# Altium PCB PCB1.PcbDoc (part 2 of 2)
Units mm, origin at the board's own origin, x right, y up, seen from the top; angles counter-clockwise.
Board outline 96.5 x 60 mm, 2 copper layers (Top Layer, Bottom Layer); 83 components, 140 nets, 424 pads, 145 vias.
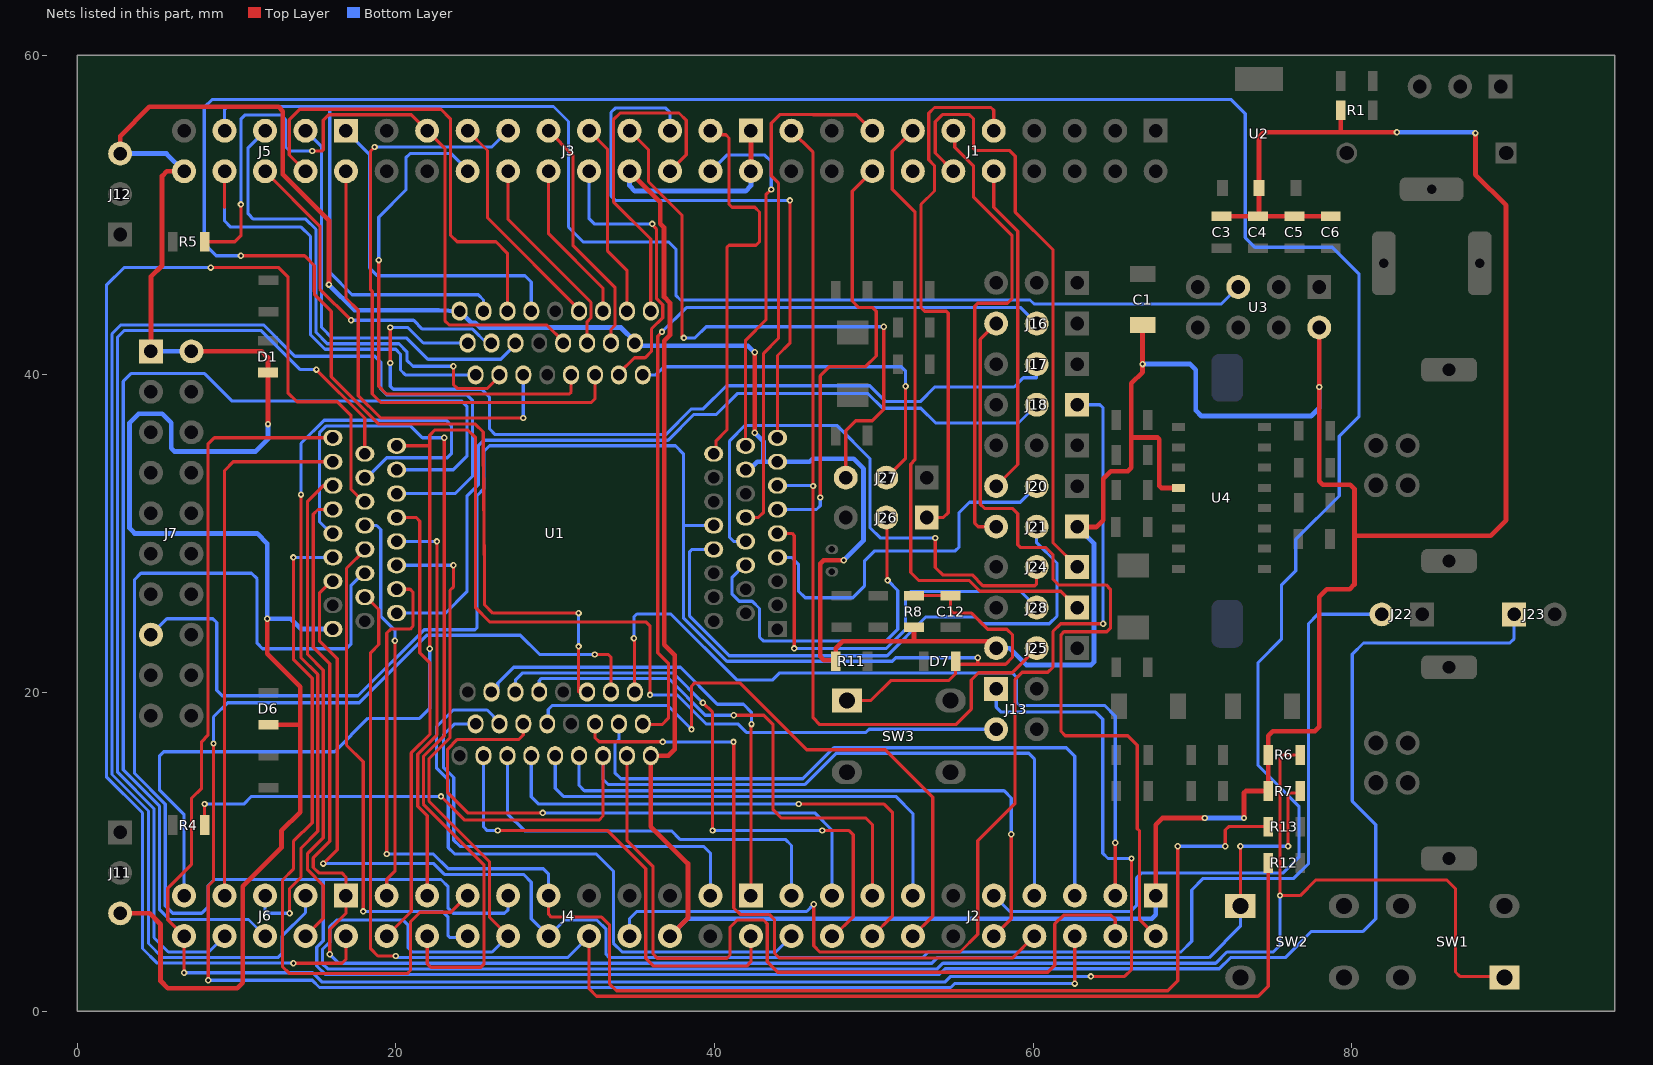
[diagram p2: the nets of this part, all layers, seen from the top]

## Via types
v1: diameter 0.4, hole 0.2, Top Layer to Bottom Layer, 145 vias

## Nets (pads, with @x,y where several pads share a name; then routed paths per layer and width w, separated by ;. In a path a pad name is that pad's centre, name@x,y a point inside that pad or via, vN(x,y) a via of type N, cw(c..) or ccw(c..) an arc to the next point about the centre after c; other vN are vias at no path point) (continued)
PIN09: J1.9 J26.1 | length 34.1
  Top Layer w0.2: J26.1@53.315,31 54.365,31 54.665,31.3 54.665,43.828 54.548,43.945 53.184,43.945 52.958,44.171 52.958,50.647 53.803,51.491 53.803,53.084 53.445,53.442 53.445,56.374 53.803,56.732 57.352,56.732 57.525,56.559 J1.9@57.525,55.275
PIN09_D: J26.2 U1.9 | length 22.5
  Top Layer w0.2: J26.2@50.775,31 50.821,30.954 50.821,27.09 v1(50.859,27.051)
  Bottom Layer w0.2: U1.9@41.95,28 41.85,28 41.1,27.25 41.1,26.189 41.539,25.75 42.361,25.75 42.824,25.287 42.824,23.495 43.078,23.241 50.752,23.241 51.493,23.981 51.493,26.418 v1(50.859,27.051)
PIN10: J1.10 J20.3 | length 20.9
  Top Layer w0.2: J1.10@57.525,52.735 57.525,50.475 59.025,48.975 59.025,34.325 J20.3@57.675,32.975
PIN10_D: J20.2 U1.10 | length 23.4
  Bottom Layer w0.2: U1.10@43.95,28.5 44.831,28.5 45.261,28.07 45.261,26.387 45.689,25.959 48.669,25.959 49.407,26.697 49.407,28.253 50.059,28.905 55.11,28.905 55.339,29.134 55.339,31.293 55.999,31.953 59.193,31.953 J20.2@60.215,32.975
PIN11: J1.11 J21.3 | length 29.7
  Top Layer w0.2: J1.11@54.985,55.275 55.075,55.185 55.075,54.225 56.26,53.04 56.26,51.098 58.675,48.683 58.675,44.742 58.383,44.45 56.514,44.45 56.325,44.261 56.325,30.646 56.546,30.425 J21.3@57.675,30.425
PIN11_D: J21.2 U1.11 | length 37.2
  Bottom Layer w0.2: U1.11@39.95,29 38.582,29 38.434,28.852 38.434,24.811 40.919,22.327 50.828,22.327 53.258,24.756 56.378,24.756 56.801,24.333 61.015,24.333 61.493,24.811 61.493,28.143 60.215,29.421 J21.2@60.215,30.425
PIN12: J1.12 J24.1 | length 38.3
  Top Layer w0.2: J1.12@54.985,52.735 53.847,53.873 53.847,55.833 54.301,56.286 55.981,56.286 56.26,56.007 56.26,54.15 56.384,54.026 58.522,54.026 58.875,53.673 58.875,50.166 61.239,47.803 61.239,29.416 J24.1@62.755,27.9
PIN12_D: J24.2 U1.12 | length 35.8
  Top Layer w0.2: v1(53.847,29.718) 53.847,27.86 54.312,27.395 56.17,27.395 56.843,26.722 60.098,26.722 60.215,26.839 J24.2@60.215,27.9
  Bottom Layer w0.2: U1.12@41.95,29.5 41.187,29.5 40.944,29.743 40.944,35.809 41.914,36.779 47.675,36.779 49.758,34.696 49.758,30.353 50.393,29.718 v1(53.847,29.718)
PIN13: J1.13 J28.1 | length 40.3
  Top Layer w0.2: J1.13@52.445,55.275 51.155,53.985 51.155,51.606 52.575,50.185 52.575,34.614 52.315,34.354 52.315,27.548 52.817,27.045 55.987,27.045 56.66,26.372 61.733,26.372 J28.1@62.755,25.35
PIN13_D: J28.2 U1.13 | length 26.5
  Top Layer w0.2: U1.13@43.95,30 44.87,30 45.008,29.862 v1(45.008,22.784)
  Bottom Layer w0.2: v1(45.008,22.784) 50.79,22.784 51.988,23.981 51.988,26.006 52.347,26.365 59.2,26.365 J28.2@60.215,25.35
PIN14: J1.14
PIN15: J1.15 U1.15 | length 33.2
  Top Layer w0.2: U1.15@41.95,31 42.747,31 43.078,31.33 43.078,41.3 44.01,42.233 44.01,52.001 43.56,52.451 43.56,55.753 44.094,56.286 46.172,56.286 46.184,56.275 48.905,56.275 J1.15@49.905,55.275
PIN16: J1.16 U1.16 | length 28.2
  Top Layer w0.2: v1(46.634,32.258) 46.634,39.887 47.227,40.481 49.497,40.481 50.15,41.134 50.15,43.95 49.929,44.171 49.058,44.171 48.64,44.589 48.64,51.47 J1.16@49.905,52.735
  Bottom Layer w0.2: U1.16@43.95,31.5 46.4,31.5 46.634,31.733 v1(46.634,32.258)
PIN19: J1.19 J25.2 U1.19 | length 57.1
  Top Layer w0.2: J1.19@44.729,55.371 J1.19@44.825,55.275 46.184,53.916 v1(46.184,32.975) 46.184,18.427 46.607,18.003 55.137,18.003 56.108,18.974 56.108,20.803 56.565,21.26 58.675,21.26 J25.2@60.215,22.8
  Bottom Layer w0.2: U1.19@43.95,33 46.159,33 v1(46.184,32.975)
PIN23: J3.3 U1.23 | length 25
  Top Layer w0.2: J3.3@39.745,55.275 39.994,55.026 40.699,55.026 40.908,54.818 40.908,50.664 41.096,50.475 42.519,50.475 42.824,50.17 42.824,48.305 42.601,48.082 40.908,48.082 40.776,47.951 40.776,36.492 40.1,35.816 40.1,35.15 U1.23@39.95,35
PIN24: J3.4 U1.24 | length 22.9
  Top Layer w0.2: U1.24@41.95,35.5 41.95,42.121 43.223,43.394 43.223,51.25 v1(43.56,51.587)
  Bottom Layer w0.2: J3.4@39.745,52.735 40.756,53.746 43.154,53.746 43.56,53.34 v1(43.56,51.587)
PIN25: J3.5 U1.25 | length 36.9
  Top Layer w0.2: U1.25@43.95,36 43.95,41.164 44.727,41.942 44.727,50.899 v1(44.729,50.9)
  Bottom Layer w0.2: J3.5@37.205,55.275 37.205,56.423 36.935,56.693 33.77,56.693 33.5,56.423 33.5,51.17 33.77,50.9 v1(44.729,50.9)
PIN26: J3.6 U1.26 | length 21.5
  Top Layer w0.2: U1.26@36,43.95 36,48.48 33.654,50.825 33.654,55.956 34.086,56.388 37.769,56.388 38.226,55.931 38.226,53.756 J3.6@37.205,52.735
PIN27: J3.7 J27.3 | length 38.3
  Top Layer w0.2: J3.7@34.665,55.275 35.855,54.085 35.855,52.079 37.952,49.982 37.952,42.398 v1(38.077,42.274) ; J27.3@48.235,33.5 48.235,36.45 48.857,37.072 49.908,37.072 50.621,37.785 v1(50.621,42.977)
  Bottom Layer w0.2: v1(38.077,42.274) 38.773,42.274 39.476,42.977 v1(50.621,42.977)
PIN27_D: J27.2 U1.27 | length 24
  Top Layer w0.2: J27.2@50.775,33.5 51.994,34.719 v1(51.994,39.233)
  Bottom Layer w0.2: U1.27@35.5,39.95 36.321,39.95 36.833,40.462 51.713,40.462 51.994,40.181 v1(51.994,39.233)
PIN29: J3.9 U1.29 | length 12.3
  Top Layer w0.2: J3.9@32.125,55.275 33.275,54.125 33.275,47.751 34.5,46.526 U1.29@34.5,43.95
PIN30: J3.10 U1.30 | length 18.4
  Top Layer w0.2: U1.30@34,39.95 34,40.05 34.979,41.029 35.645,41.029 36.047,41.43 36.047,42.836 36.75,43.539 36.75,44.361 36.353,44.758 36.353,49.114 36.093,49.375 v1(36.093,49.428)
  Bottom Layer w0.2: J3.10@32.125,52.735 32.125,49.746 32.443,49.428 v1(36.093,49.428)
PIN31: J3.11 U1.31 | length 15.2
  Top Layer w0.2: J3.11@29.585,55.275 31.114,53.746 31.114,48.082 33.75,45.446 33.75,43.049 33.5,42.799 U1.31@33.5,41.95
PIN32: J3.12 U1.32 | length 10.2
  Top Layer w0.2: J3.12@29.585,52.735 29.585,48.808 33,45.393 U1.32@33,43.95
PIN33: J3.13 U1.33 | length 40.2
  Top Layer w0.2: v1(18.668,54.254) 18.414,54 18.414,45.299 18.522,45.191 18.522,38.753 19.057,38.218 32.263,38.218 32.5,38.455 U1.33@32.5,39.95
  Bottom Layer w0.2: v1(18.668,54.254) 26.024,54.254 J3.13@27.045,55.275
PIN34: J3.14 U1.34 | length 13
  Top Layer w0.2: J3.14@27.045,52.735 27.045,49.705 32.25,44.5 32.25,43.539 32,43.289 U1.34@32,41.95
PIN35: J3.15 U1.35 | length 14.2
  Top Layer w0.2: J3.15@24.505,55.275 25.75,54.03 25.75,49.8 31.5,44.05 U1.35@31.5,43.95
PIN36: J3.16 U1.36 | length 32.9
  Top Layer w0.2: v1(18.922,47.152) 18.922,39.233 19.406,38.75 30.883,38.75 31,38.867 U1.36@31,39.95
  Bottom Layer w0.2: v1(18.922,47.152) 18.922,49.847 20.63,51.555 20.63,53.585 20.885,53.84 23.473,53.84 24.505,52.808 J3.16@24.505,52.735
PIN37: J3.17 R5.1 U1.37 | length 46.4
  Top Layer w0.2: R5.1@8,48.3 9.89,48.3 10.275,48.685 v1(10.275,50.652) ; v1(14.75,54) 15.385,54 15.448,54.063 15.448,55.931 15.787,56.27 16.892,56.27 16.897,56.275 20.965,56.275 J3.17@21.965,55.275 23.075,54.165 23.075,43.356 23.353,43.078 29.472,43.078 30.5,42.05 U1.37@30.5,41.95
  Bottom Layer w0.2: v1(10.275,50.652) 10.275,55.995 10.55,56.27 12.79,56.27 13.075,55.985 13.075,54.254 13.329,54 v1(14.75,54)
PIN41: J5.1 U1.41 | length 21.6
  Bottom Layer w0.2: J5.1@16.87,55.27 18.34,53.8 18.34,46.682 18.844,46.177 28.105,46.177 28.5,45.783 U1.41@28.5,43.95
PIN42: J5.2 U1.42 | length 28.2
  Top Layer w0.2: J5.2@16.87,52.73 16.87,44.775 17.645,44 17.645,38.64 19.04,37.245 v1(28,37.245)
  Bottom Layer w0.2: v1(28,37.245) 28,39.567 28.174,39.741 28,39.915 28.018,39.932 U1.42@28,39.95
PIN43: J5.3 U1.43 | length 26.2
  Bottom Layer w0.2: J5.3@14.33,55.27 15.341,54.259 15.341,42.925 16.008,42.258 20.691,42.258 22.012,40.938 26.588,40.938 27.5,41.85 U1.43@27.5,41.95
PIN44: J5.4 U1.44 | length 29.3
  Top Layer w0.2: J5.4@14.33,52.73 13.309,53.751 13.309,55.956 13.978,56.625 22.834,56.625 23.425,56.034 23.425,48.732 23.857,48.3 26.282,48.3 27,47.582 U1.44@27,43.95
PIN45: J5.5 U1.45 | length 31.2
  Top Layer w0.2: v1(23.61,40.488) 23.61,39.348 23.857,39.1 25.75,39.1 26.5,39.85 U1.45@26.5,39.95
  Bottom Layer w0.2: J5.5@11.79,55.27 10.725,54.205 10.725,50.061 11.061,49.725 14.344,49.725 14.991,49.078 14.991,42.616 15.698,41.908 20.2,41.908 20.694,41.414 20.694,40.873 21.079,40.488 v1(23.61,40.488) ; U1.45@26.5,39.95 U1.45@26.5,40.05
PIN46: J5.6 U1.46 | length 21
  Top Layer w0.2: J5.6@11.79,52.73 15.234,49.286 15.234,45.336 v1(17.195,43.375)
  Bottom Layer w0.2: v1(17.195,43.375) 21.115,43.375 21.665,42.824 24.817,42.824 25.692,41.95 U1.46@26,41.95
PIN47: J5.7 U1.47 U3.5 | length 97.7
  Bottom Layer w0.2: J5.7@9.25,55.27 9.25,56.607 9.437,56.794 15.849,56.794 ; U1.47@25.5,43.95 25.5,44.653 25.17,44.983 17.246,44.983 15.849,46.38 15.849,56.794 ; U3.5@72.868,45.465 71.803,44.4 60.053,44.4 59.8,44.653 37.863,44.653 37.575,44.942 37.575,47.851 37.14,48.285 31.775,48.285 30.835,49.225 30.835,55.855 29.895,56.794 15.849,56.794
PIN48: J5.8 U1.48 | length 29.4
  Top Layer w0.2: 9.25,50.45 J5.8@9.25,52.73
  Bottom Layer w0.2: J5.8@9.25,52.73 9.25,49.611 9.636,49.225 14.057,49.225 14.641,48.642 14.641,42.471 15.553,41.558 15.845,41.558 15.849,41.554 19.993,41.554 20.291,41.257 20.291,40.255 20.597,39.95 U1.48@25,39.95
PIN49_D: J17.2 U1.49 | length 55.1
  Top Layer w0.2: v1(19.65,40.7) v1(19.65,42.925)
  Bottom Layer w0.2: v1(19.65,40.7) 19.65,39.242 19.848,39.044 25.389,39.044 25.877,38.556 25.877,36.568 26.239,36.206 36.948,36.206 38.556,37.813 39.298,37.813 40.753,39.268 49.743,39.268 50.735,38.276 52.906,38.276 53.822,39.192 58.8,39.192 59.384,39.776 60.215,39.776 J17.2@60.215,40.625 ; v1(19.65,42.925) 20.752,42.925 21.727,41.95 U1.49@24.5,41.95
PIN51: J6.10 J13.1 U1.51 | length 128.1
  Top Layer w0.2: v1(6.71,2.431) J6.10@6.71,4.735 5.689,5.756 5.689,7.737 7.17,9.219 7.17,13.368 7.81,14.008 7.81,16.93 8.204,17.324 8.204,35.594 8.61,36 U1.51@16.05,36 ; v1(63.616,2.2) 65.737,2.2 66.166,2.629 v1(66.166,9.6)
  Bottom Layer w0.2: v1(6.71,2.431) 14.777,2.431 15.354,1.854 54.473,1.854 54.819,2.2 v1(63.616,2.2) ; J13.1@57.675,20.25 57.675,19.1 57.988,18.787 63.913,18.787 64.357,18.343 64.357,9.936 64.692,9.6 v1(66.166,9.6)
PIN52: J6.9 J13.3 U1.52 | length 99.2
  Top Layer w0.2: U1.52@20.05,35.5 22.123,35.5 ; v1(22.123,22.758) 22.123,35.5 ; v1(35.947,19.869) 35.958,19.881 35.958,24.186 35.695,24.45 25.878,24.45 25.004,25.324 25.004,36 24.511,36.493 22.445,36.493 22.123,36.17 22.123,35.5
  Bottom Layer w0.2: J6.9@6.71,7.275 6.71,12.342 5.175,13.877 5.175,16.05 5.425,16.3 16.158,16.3 18.248,18.39 21.488,18.39 22.123,19.025 v1(22.123,22.758) ; v1(35.947,19.869) 37.644,19.869 39.464,18.05 41.465,18.05 42.002,17.513 49.502,17.513 49.699,17.71 J13.3@57.675,17.71
PIN53: J6.8 U1.53 | length 64
  Top Layer w0.2: v1(15.011,40.284) 18.05,37.245 U1.53@18.05,35
  Bottom Layer w0.2: J6.8@9.25,4.735 8.249,3.734 5.728,3.734 4.825,4.637 4.825,12.728 2.537,15.016 2.537,42.326 2.939,42.728 11.564,42.728 14.008,40.284 v1(15.011,40.284)
PIN54: J6.7 U1.54 | length 33.7
  Top Layer w0.2: J6.7@9.25,7.275 9.25,33.95 9.8,34.5 U1.54@16.05,34.5
PIN55: J6.6 U1.55 | length 71.9
  Bottom Layer w0.2: J6.6@11.79,4.735 10.75,5.775 5.787,5.775 5.175,6.387 5.175,12.873 2.887,15.161 2.887,39.544 3.373,40.03 8,40.03 9.723,38.308 24.133,38.308 24.459,37.981 24.459,34.849 23.611,34 U1.55@20.05,34
PIN56: J6.5 U1.56 | length 51.2
  Top Layer w0.2: v1(13.334,6.16) 13.33,6.164 13.33,7.718 14.045,8.433 14.045,10.251 15.098,11.304 15.098,21.152 14.045,22.204 v1(14.045,32.436)
  Bottom Layer w0.2: J6.5@11.79,7.275 11.79,6.283 11.913,6.16 v1(13.334,6.16) ; v1(14.045,32.436) 14.045,35.651 15.494,37.1 23.152,37.1 23.484,36.768 23.484,35 23.234,34.75 19.425,34.75 18.175,33.5 U1.56@18.05,33.5
PIN57: J6.4 U1.57 | length 31
  Top Layer w0.2: J6.4@14.33,4.735 15.448,5.853 15.448,7.907 14.465,8.89 14.465,9.92 15.448,10.903 15.448,21.418 14.465,22.401 14.465,32.017 15.448,33 U1.57@16.05,33
PIN58: J6.3 U1.58 | length 88.1
  Bottom Layer w0.2: J6.3@14.33,7.275 14.33,6.203 12.867,4.74 12.867,3.654 12.598,3.384 5.355,3.384 4.475,4.264 4.475,12.583 2.187,14.871 2.187,42.524 2.741,43.078 11.709,43.078 13.664,41.123 18.672,41.123 19.049,40.746 19.049,39.07 19.425,38.694 24.459,38.694 24.815,38.338 24.815,33.604 23.711,32.5 U1.58@20.05,32.5
PIN59: J6.2 U1.59 | length 87
  Top Layer w0.2: v1(8.388,46.682) 12.659,46.682 13.228,46.112 13.228,38.831 13.798,38.261 16.319,38.261 17.195,37.385 17.195,32.755 17.95,32 U1.59@18.05,32 ; v1(13.569,3.031) 16.619,3.031 16.87,3.282 J6.2@16.87,4.735
  Bottom Layer w0.2: v1(8.388,46.682) 2.939,46.682 1.837,45.579 1.837,14.726 4.1,12.463 4.1,3.951 5.017,3.034 13.566,3.034 v1(13.569,3.031)
PIN60: J6.1 R7.1 SW2.1 U1.60 | length 102.4
  Top Layer w0.2: v1(15.849,3.587) 15.849,5.143 16.87,6.164 J6.1@16.87,7.275 16.87,8.433 16.603,8.7 15.15,8.7 14.815,9.035 14.815,9.637 15.849,10.671 15.849,21.826 14.815,22.86 14.815,31.203 15.112,31.5 U1.60@16.05,31.5 ; SW2.1@73,6.625 v1(73,10.375) ; v1(75.996,10.375) 75.996,13.596 76.113,13.713 76.633,13.713 R7.1@76.75,13.83
  Bottom Layer w0.2: v1(15.849,3.587) 16.406,3.03 53.63,3.03 53.978,3.378 71.037,3.378 73,5.341 SW2.1@73,6.625 ; v1(73,10.375) v1(75.996,10.375)
PIN61: J4.20 U1.61 | length 29
  Top Layer w0.2: J4.20@19.425,4.735 20.965,6.275 20.965,16.23 22.15,17.415 22.15,21.862 21.505,22.507 21.505,30.776 21.281,31 U1.61@20.05,31
PIN62: J4.19 U1.62 | length 24.7
  Top Layer w0.2: J4.19@19.425,7.275 19.425,8.291 19.938,8.804 v1(19.938,23.266)
  Bottom Layer w0.2: U1.62@18.05,30.5 18.795,30.5 19.049,30.246 19.049,24.816 19.938,23.927 v1(19.938,23.266)
PIN63: J4.18 U1.63 | length 55.7
  Top Layer w0.2: J4.18@21.965,4.735 21.965,3.008 22.199,2.773 25.323,2.773 25.526,2.976 25.526,9.22 21.729,13.018 21.729,16.004 23.034,17.309 v1(23.034,36)
  Bottom Layer w0.2: U1.63@16.05,30 15.95,30 15.2,30.75 15.2,36.311 15.639,36.75 20.914,36.75 21.664,36 v1(23.034,36)
PIN64: J4.17 U1.64 | length 25.5
  Top Layer w0.2: J4.17@21.965,7.275 21.965,12.287 21.379,12.873 21.379,16.149 22.574,17.344 v1(22.574,29.5)
  Bottom Layer w0.2: U1.64@20.05,29.5 v1(22.574,29.5)
PIN65: J4.16 U1.65 | length 31.6
  Top Layer w0.2: v1(17.95,6.283) 17.95,15.67 16.9,16.72 16.9,27.806 18.05,28.956 U1.65@18.05,29
  Bottom Layer w0.2: v1(17.95,6.283) 17.958,6.275 22.922,6.275 23.278,5.919 23.278,4.757 23.397,4.637 24.407,4.637 J4.16@24.505,4.735
PIN66: J4.15 U1.66 | length 45
  Top Layer w0.2: v1(13.57,28.5) 13.57,22.097 14.748,20.919 14.748,11.849 13.57,10.671 13.57,8.937 12.884,8.251 12.884,2.812 13.303,2.393 20.745,2.393 20.921,2.569 20.921,5.631 21.513,6.223 23.453,6.223 J4.15@24.505,7.275
  Bottom Layer w0.2: v1(13.57,28.5) U1.66@16.05,28.5
PIN67: J4.14 R6.1 SW1.1 U1.67 | length 139.5
  Top Layer w0.2: v1(23.61,28) 23.61,26.633 23.4,26.423 23.4,17.181 22.079,15.859 22.079,13.201 25.876,9.404 25.876,5.904 J4.14@27.045,4.735 ; R6.1@76.75,16.1 76.748,16.103 75.683,16.103 75.488,15.908 v1(75.488,7.275) 76.75,7.275 77.725,8.25 85.95,8.25 86.5,7.7 86.5,2.475 86.775,2.2 89.5,2.2 SW1.1@89.575,2.125
  Bottom Layer w0.2: U1.67@20.05,28 v1(23.61,28) ; J4.14@27.045,4.735 26.044,3.734 21.035,3.734 20.767,4.002 20.767,5.423 20.455,5.735 19.839,5.735 19.834,5.74 16.281,5.74 15.849,5.309 15.849,4.344 15.392,3.887 15.392,2.999 15.715,2.676 53.976,2.676 54.328,3.028 71.447,3.028 72.153,3.734 75.059,3.734 75.488,4.163 v1(75.488,7.275)
PIN68: J4.13 J23.1 U1.68 | length 173.4
  Bottom Layer w0.2: U1.68@18.05,27.5 17.95,27.5 17.195,26.745 17.195,23.07 16.883,22.758 11.632,22.758 11.289,23.101 11.289,27.15 10.939,27.5 3.998,27.5 3.606,27.108 3.606,14.937 5.525,13.018 5.525,6.637 6.002,6.16 7.81,6.16 8.203,6.553 8.203,7.874 8.61,8.28 15.448,8.28 ; J4.13@27.045,7.275 27.045,6.387 26.819,6.16 23.596,6.16 23.278,6.478 23.278,7.836 22.834,8.28 15.448,8.28 ; J23.1@90.175,24.925 90.175,23.4 89.9,23.125 80.725,23.125 80.025,22.425 80.025,13.2 81.5,11.725 81.5,5.825 80.7,5.025 77.462,5.025 75.815,3.378 72.377,3.378 71.677,2.678 54.473,2.678 54.121,2.326 15.57,2.326 15.042,2.854 15.042,4.032 15.448,4.438 15.448,8.28
PIN69: J4.12 J22.2 U1.69 | length 110.5
  Top Layer w0.2: v1(15.448,9.278) 16.319,10.15 16.319,22.147 15.2,23.266 15.2,26.25 15.95,27 U1.69@16.05,27
  Bottom Layer w0.2: v1(15.448,9.278) 22.373,9.278 23.049,8.602 28.008,8.602 28.5,8.11 28.5,5.82 J4.12@29.585,4.735 30.59,5.74 32.613,5.74 33.197,5.156 33.197,3.587 33.4,3.384 53.051,3.384 53.401,3.734 69.271,3.734 69.95,4.413 69.95,7.625 70.675,8.35 76.35,8.35 77.275,9.275 77.275,24.333 77.867,24.925 J22.2@81.86,24.925
PIN70: J4.11 R13.2 U1.70 | length 91.3
  Top Layer w0.2: v1(19.425,9.881) 19.425,23.75 19.675,24 20.897,24 21.079,24.182 21.079,26.318 20.897,26.5 U1.70@20.05,26.5 ; J4.11@29.585,7.275 29.585,6.103 29.763,5.925 32.912,5.925 33.4,5.437 33.4,1.747 33.848,1.3 68.448,1.3 69.075,1.927 v1(69.075,10.375) ; v1(72.056,10.375) 72.056,11.391 72.265,11.6 R13.2@74.75,11.6
  Bottom Layer w0.2: v1(19.425,9.881) 22.349,9.881 23.278,8.952 29.256,8.952 29.585,8.623 J4.11@29.585,7.275 ; v1(69.075,10.375) v1(72.056,10.375)
PIN71: J4.10 R12.2 U1.71 | length 91.3
  Top Layer w0.2: U1.71@18.05,26 18.15,26 18.922,25.228 18.922,23.032 18.414,22.524 18.414,3.937 18.871,3.48 v1(19.989,3.48) ; J4.10@32.125,4.735 32.125,1.414 32.589,0.95 74.116,0.95 74.75,1.584 R12.2@74.75,9.325
  Bottom Layer w0.2: v1(19.989,3.48) 20.085,3.384 30.774,3.384 J4.10@32.125,4.735
PIN73: J4.8 J18.1 | length 67
  Top Layer w0.2: v1(46.225,6.725) 46.225,4.117 46.607,3.735 55.405,3.735 56.514,4.844 56.514,10.719 58.865,13.07 58.865,20.842 59.314,21.291 60.92,21.291 61.239,21.609 61.239,23.851 61.721,24.333 v1(64.388,24.333)
  Bottom Layer w0.2: J4.8@34.665,4.735 34.665,5.825 35.115,6.275 45.775,6.275 v1(46.225,6.725) ; J18.1@62.755,38.075 64.186,38.075 64.388,37.873 v1(64.388,24.333)
PIN73_D: J18.2 U1.73 | length 52.1
  Bottom Layer w0.2: U1.73@20.05,25 23.113,25 24.459,26.346 24.459,32.337 25.171,33.048 25.171,35.5 25.521,35.85 37.087,35.85 38.701,37.463 40.103,37.463 41.418,38.779 49.629,38.779 50.552,37.856 52.95,37.856 53.872,36.934 59.074,36.934 J18.2@60.215,38.075
PIN78: J4.3 U1.78 | length 28.3
  Bottom Layer w0.2: U1.78@25,18.05 23.688,18.05 22.986,17.348 22.986,15.329 23.634,14.681 23.634,10.747 24.03,10.351 39.33,10.351 39.745,9.936 J4.3@39.745,7.275
PIN79: J4.2 U1.79 | length 29.9
  Top Layer w0.2: v1(26.39,11.354) 33.299,11.354 35.686,8.966 35.686,3.344 36.18,2.85 42.011,2.85 42.285,3.124 J4.2@42.285,4.735
  Bottom Layer w0.2: U1.79@25.5,16.05 25.5,11.581 25.727,11.354 v1(26.39,11.354)
PIN80: J4.1 U1.80 | length 30
  Top Layer w0.2: J4.1@42.285,7.275 42.285,18.003 v1(42.316,18.034)
  Bottom Layer w0.2: U1.80@26,20.05 26.39,20.05 26.39,20.599 27.391,21.601 37.863,21.601 40.179,19.286 41.817,19.286 42.316,18.787 v1(42.316,18.034)
PIN81: J2.20 U1.81 | length 40
  Bottom Layer w0.2: U1.81@26.5,18.05 26.5,18.15 25.727,18.923 23.596,18.923 22.554,17.882 22.554,15.265 23.284,14.536 23.284,10.285 23.688,9.881 32.587,9.881 33.654,8.814 33.654,4.293 34.213,3.734 43.83,3.734 J2.20@44.831,4.735
PIN82: J2.19 U1.82 | length 25.4
  Bottom Layer w0.2: U1.82@27,16.05 27,12.42 28.09,11.33 37.298,11.33 37.827,10.801 44.449,10.801 44.831,10.419 J2.19@44.831,7.275
PIN83: J2.18 U1.83 | length 37.7
  Top Layer w0.2: v1(39.266,19.379) 39.877,18.768 v1(39.877,11.354) ; v1(46.763,11.354) 48.446,11.354 48.7,11.1 48.7,5.948 47.487,4.735 J2.18@47.371,4.735
  Bottom Layer w0.2: U1.83@27.5,20.05 27.5,20.79 27.96,21.25 37.395,21.25 v1(39.266,19.379) ; v1(39.877,11.354) v1(46.763,11.354)
PIN84: J2.17 U1.84 | length 37.8
  Top Layer w0.2: U1.84@28,18.05 28,17.348 27.727,17.075 23.864,17.075 23.25,16.461 23.25,13.72 24.507,12.463 v1(29.224,12.463)
  Bottom Layer w0.2: v1(29.224,12.463) 46.291,12.463 47.371,11.383 J2.17@47.371,7.275
PIN85: J2.16 U1.85 | length 33.9
  Top Layer w0.2: v1(45.287,13.018) 50.64,13.018 51.175,12.483 51.175,5.999 J2.16@49.911,4.735
  Bottom Layer w0.2: U1.85@28.5,16.05 28.5,13.475 28.957,13.018 v1(45.287,13.018)
PIN86: J2.15 U1.86 | length 33.1
  Top Layer w0.2: v1(41.209,18.593) 43.087,18.593 43.676,18.003 43.676,12.649 44.184,12.141 49.493,12.141 49.911,11.723 J2.15@49.911,7.275
  Bottom Layer w0.2: U1.86@29,20.05 29,20.767 29.133,20.9 37.109,20.9 39.416,18.593 v1(41.209,18.593)
PIN87: J2.14 U1.87 | length 40.8
  Top Layer w0.2: v1(38.556,17.704) 38.556,20.417 38.756,20.618 41.593,20.618 45.785,16.425 50.72,16.425 53.7,13.445 53.7,5.984 J2.14@52.451,4.735
  Bottom Layer w0.2: U1.87@29.5,18.05 29.565,18.115 29.565,18.95 29.815,19.2 33.189,19.2 37.059,19.2 v1(38.556,17.704)
PIN88: J2.13 U1.88 | length 30.3
  Bottom Layer w0.2: U1.88@30,16.05 30,14.015 30.514,13.5 51.375,13.5 52.451,12.424 J2.13@52.451,7.275
PIN91: J2.10 U1.91 | length 38.4
  Top Layer w0.2: J2.10@57.531,4.735 58.622,5.826 v1(58.622,11.125)
  Bottom Layer w0.2: U1.91@31.5,16.05 31.5,14.185 31.835,13.85 58.171,13.85 58.622,13.398 v1(58.622,11.125)
PIN92: J2.9 U1.92 | length 200.9
  Top Layer w0.2: v1(10.275,47.425) 14.274,47.425 14.884,46.816 14.884,45.174 14.902,45.156 14.902,44.983 15.95,43.935 15.95,39.84 18.928,36.862 24.986,36.862 25.481,36.367 25.481,35.594 25.562,27.228 25.562,25.527 26.089,25 v1(31.47,25) ; v1(31.47,22.911) 31.47,20.05 U1.92@32,20.05
  Bottom Layer w0.2: v1(10.275,47.425) 8.725,47.425 7.975,48.175 7.975,56.737 8.463,57.225 72.422,57.225 73.304,56.344 73.304,48.565 73.913,47.955 78.765,47.955 80.45,46.27 80.45,37.359 79.2,36.109 79.2,32.347 76.479,29.626 76.479,27.654 75.575,26.75 75.575,23.35 74.108,21.883 74.108,15.452 76.675,12.885 76.675,9.68 75.695,8.7 66.825,8.7 66.475,8.35 66.475,6.625 66.125,6.275 58.531,6.275 J2.9@57.531,7.275 ; v1(31.47,22.911) v1(31.47,25)
PIN93: J2.8 U1.93 | length 42
  Top Layer w0.2: U1.93@32.5,18.05 32.5,17.18 32.755,16.926 36.744,16.926 v1(36.753,16.916) ; v1@41.209,16.916 41.209,6.497 41.616,6.09 43.425,6.09 43.763,5.752 43.763,3.666 44.077,3.353 58.689,3.353 J2.8@60.071,4.735
  Bottom Layer w0.2: v1(36.753,16.916) v1(41.187,16.916)
PIN94: J2.7 R4.1 U1.94 | length 69.2
  Top Layer w0.2: R4.1@8,11.7 v1(8,13.018) ; v1(22.834,13.5) 24.321,12.013 32.747,12.013 33,12.266 U1.94@33,16.05
  Bottom Layer w0.2: v1(8,13.018) 10.457,13.018 10.939,13.5 v1(22.834,13.5) ; U1.94@33,16.05 33,14.566 33.316,14.25 45.685,14.25 47.635,16.2 59.725,16.2 60.071,15.854 J2.7@60.071,7.275
PIN95: J2.6 U1.95 | length 104.1
  Top Layer w0.2: v1(8.229,1.964) 8.229,7.874 8.559,8.204 v1(8.559,16.815) ; v1(32.477,22.401) 33.326,22.401 33.5,22.227 U1.95@33.5,20.05 ; v1(62.611,1.75) J2.6@62.611,4.735
  Bottom Layer w0.2: v1(8.229,1.964) 14.749,1.964 15.209,1.504 54.812,1.504 55.058,1.75 58.3,1.75 v1(62.611,1.75) ; v1(8.559,16.815) 8.559,18.484 9.454,19.379 17.702,19.379 21.932,23.609 27.812,23.609 29.021,22.401 v1(32.477,22.401)
PIN96: J2.5 U1.96 | length 42
  Bottom Layer w0.2: U1.96@34,18.05 34,17.065 33.75,16.815 33.75,14.982 34.132,14.6 45.54,14.6 47.49,16.55 62.075,16.55 62.611,16.014 J2.5@62.611,7.275
PIN97: J2.4 U1.97 | length 51.2
  Top Layer w0.2: U1.97@34.5,16.05 34.5,10.737 36.143,9.093 36.143,3.606 36.405,3.344 40.772,3.344 40.971,3.543 40.971,5.294 41.417,5.74 43.072,5.74 43.306,5.507 43.306,3.124 43.967,2.464 60.92,2.464 61.35,2.894 61.35,5.496 61.904,6.05 64.877,6.05 65.151,5.776 J2.4@65.151,4.735
PIN98: J2.3 U1.98 | length 50.2
  Top Layer w0.2: v1(34.94,23.425) 34.97,23.395 34.97,20.08 U1.98@35,20.05 ; J2.3@65.151,7.275 v1(65.151,10.591)
  Bottom Layer w0.2: v1(34.94,23.425) 34.94,24.756 35.127,24.943 37.259,24.943 41.392,20.81 43.655,20.81 44.095,21.25 58.675,21.25 58.953,20.972 58.953,19.391 59.144,19.2 64.483,19.2 65.151,18.532 v1(65.151,10.591)
PIN99: J2.2 J16.3 | length 53.6
  Top Layer w0.2: J16.3@57.675,43.175 56.675,42.175 56.675,31.838 56.941,31.572 58.686,31.572 59.025,31.233 59.025,29.289 59.204,29.11 60.8,29.11 61.239,28.671 61.239,27.122 61.589,26.772 64.574,26.772 64.845,26.5 64.845,24.054 64.617,23.825 61.927,23.825 61.747,23.645 61.747,17.568 62.011,17.303 65.941,17.303 66.526,16.719 66.526,11.473 66.674,11.325 66.674,5.752 J2.2@67.691,4.735
PIN99_D: J16.2 U1.99 | length 51
  Top Layer w0.2: U1.99@35.5,18.05 35.547,18.003 36.702,18.003 37.102,18.403 37.102,21.855 36.441,22.516 36.441,42.386 v1(36.702,42.647)
  Bottom Layer w0.2: v1(36.702,42.647) 38.231,44.175 59.215,44.175 J16.2@60.215,43.175
RESET: C12.1 D7.2 J7.15 R8.1 SW3.1 U1.14 | length 106.8
  Top Layer w0.2: SW3.1@48.312,19.514 49.809,19.514 51.061,20.767 54.683,20.767 55.125,21.209 D7.2@55.125,21.793 ; C12.1@54.812,26.1 54.812,25.179 54.991,25 56.134,25 57.142,23.992 58.349,23.992 58.699,23.642 58.699,22.225 58.267,21.793 56.514,21.793 ; D7.2@55.125,21.975 D7.2@55.125,21.793 ; v1(56.514,22.2) 56.514,21.793 ; D7.2@55.125,21.793 56.514,21.793 ; R8.1@52.515,26.1 54.697,26.1 R8.1@52.515,26.1
  Bottom Layer w0.2: J7.15@4.63,23.65 5.629,24.649 6.755,24.649 6.756,24.65 8.521,24.65 8.762,24.409 8.762,20.149 9.1,19.812 17.625,19.812 21.772,23.959 24.967,23.959 25.094,24.086 25.094,32.367 25.521,32.794 25.521,35.144 25.877,35.5 37.548,35.5 38.048,35 38.048,30.5 ; U1.14@39.95,30.5 38.048,30.5 ; v1(56.514,22.2) 51.378,22.2 51.155,21.977 40.774,21.977 38.048,24.702 38.048,30.5
VCC: C1.1 C3.1 C4.1 C5.1 C6.1 D1.1 D6.1 J2.1 J3.1 J3.2 J3.8 J4.6 J5.10 J7.1 J7.2 J11.3 J12.3 J21.1 J25.3 R1.1 R6.2 R7.2 R8.2 R11.2 U1.21 U1.22 U1.28 U1.50 U1.75 U1.100 U2.2 U3.2 U4.4 | length 459.8
  Top Layer w0.3: J11.3@2.7,6.16 4.545,6.16 5.23,5.475 5.23,1.919 5.685,1.464 10.044,1.464 10.39,1.81 10.39,7.855 12.82,10.285 12.82,11.331 13.998,12.508 13.998,18.003 ; J12.3@2.7,53.84 2.7,54.935 4.537,56.772 12.639,56.772 12.909,56.502 12.909,52.534 15.798,49.645 v1(15.798,45.618) ; J7.1@4.63,41.43 4.63,46.12 5.325,46.816 5.325,52.425 5.63,52.73 J5.10@6.71,52.73 ; J7.2@7.17,41.43 11.579,41.43 11.975,41.034 D1.1@11.975,40.1 v1(11.975,36.862) ; v1(11.926,24.649) 11.926,22.448 13.998,20.376 13.998,18.003 ; D6.1@12,18 13.995,18 13.998,18.003 ; J3.8@34.665,52.735 34.665,52.703 36.593,50.776 36.593,49.441 36.836,49.198 36.836,44.841 37.202,44.474 37.202,42.44 36.841,42.079 36.841,23.026 37.502,22.365 37.502,16.447 37.105,16.05 U1.100@36,16.05 36,11.606 38.328,9.278 38.328,5.858 J4.6@37.205,4.735 ; J3.2@42.285,52.735 J3.1@42.285,55.275 ; v1(42.519,36.322) v1(42.519,41.377) ; v1(48.107,28.321) 46.846,28.321 46.634,28.108 46.634,22.281 46.867,22.047 47.528,22.047 R11.2@47.6,21.975 47.6,22.784 48.057,23.241 52.515,23.241 ; R8.2@52.515,24.1 52.515,23.241 ; J25.3@57.675,22.8 57.234,23.241 52.515,23.241 ; J21.1@62.755,30.425 62.78,30.4 63.955,30.4 64.388,30.834 64.388,33.42 64.877,33.909 65.941,33.909 66.157,34.125 66.157,36 ; C1.1@66.866,43.075 v1(66.866,40.625) 66.866,40.121 66.157,39.412 66.157,36 ; J2.1@67.691,7.275 67.691,11.723 68.109,12.141 v1(70.764,12.141) ; U4.4@69.119,32.86 68.034,32.86 67.91,32.985 67.91,35.906 67.799,36.017 66.174,36.017 66.157,36 ; C3.1@71.819,49.903 C4.1@74.101,49.903 ; v1(73.227,12.141) 73.227,13.713 73.345,13.83 R7.2@74.75,13.83 74.75,14.961 R6.2@74.75,16.1 74.75,17.303 75.031,17.584 77.678,17.584 77.948,17.854 77.948,26.014 78.434,26.5 79.85,26.5 80.154,26.804 80.154,29.857 ; U2.2@74.168,51.661 74.168,49.97 C4.1@74.101,49.903 ; U2.2@74.168,51.691 74.168,54.875 74.468,55.175 79.3,55.175 ; U3.2@77.948,42.925 v1(77.948,39.192) 77.948,33.285 78.183,33.05 79.895,33.05 80.154,32.791 80.154,29.857 ; C6.1@78.677,49.903 C5.1@76.391,49.903 C4.1@74.101,49.903 ; R1.1@79.3,56.564 79.3,55.175 ; v1(82.825,55.175) 79.3,55.175 ; v1(87.75,55.125) 87.75,52.525 89.675,50.6 89.675,30.834 88.699,29.857 80.154,29.857
  Bottom Layer w0.3: J12.3@2.7,53.84 5.6,53.84 J5.10@6.71,52.73 ; J7.1@4.63,41.43 J7.2@7.17,41.43 ; v1(11.975,36.862) 11.975,35.911 11.207,35.144 6.107,35.144 5.9,35.35 5.9,36.941 5.332,37.51 3.855,37.51 3.287,36.941 3.287,30.319 3.606,30 11.292,30 11.926,29.366 v1(11.926,24.649) 13.408,24.649 14.057,24 U1.75@16.05,24 ; v1(15.798,45.618) 17.411,44.005 22.669,44.005 U1.50@24,43.95 24,43.942 24.718,43.224 24.983,43.224 25.282,42.925 34.125,42.925 35,42.05 U1.28@35,41.95 35.176,41.774 42.095,41.774 42.492,41.377 v1(42.519,41.377) ; J3.8@34.665,52.735 34.665,51.822 35.002,51.486 41.948,51.486 42.285,51.822 J3.2@42.285,52.735 ; J4.6@37.205,4.735 38.29,5.82 39.987,5.82 39.992,5.825 67.445,5.825 67.691,6.071 J2.1@67.691,7.275 ; U1.21@41.95,34 42.181,34 42.681,34.5 43.078,34.5 43.078,35.763 v1(42.519,36.322) ; 43.127,34.5 U1.22@43.95,34.5 45.967,34.5 46.157,34.69 48.722,34.69 49.35,34.062 49.35,29.564 v1(48.107,28.321) ; J25.3@57.675,22.8 58.521,22.8 59.571,21.75 63.629,21.75 63.805,21.926 63.805,29.375 J21.1@62.755,30.425 ; v1(66.866,40.625) 69.855,40.625 70.205,40.275 70.205,37.72 70.555,37.37 77.445,37.37 77.948,37.873 v1(77.948,39.192) ; v1(70.764,12.141) v1(73.227,12.141) ; v1(82.825,55.175) 87.7,55.175 v1(87.75,55.125)
pads on no net: J7.11 J7.17 J7.19 J8.S1 J8.S2 SW1.2 SW1.4 SW2.2 SW2.4 SW3.2 SW3.3 U2.4 U4.9 U4.10 U4.11 U4.12 U4.13 U4.14 U4.15

## Polygon pours and split planes (outlines as drawn)
no net on Top Layer (solid, pour order 8): 0,60 0,0 96.5,0 96.5,60
no net on Top Layer "Top Layer-No Net" (solid, pour order 0): 89.8,56.2
no net on Bottom Layer (solid, pour order 6): 0,60 0,0 96.5,0 96.5,60
no net on Bottom Layer (solid, pour order 4): 96.5,60
no net on Multi-Layer (solid): 0,60 0,0 96.5,0 96.5,60

## Other copper
Top Layer:
  region: 90.8,56

## Silkscreen, mask and mechanical layers (free items; w line width, h text height)
Top Overlay:
  lines w0.254: 64.025,46.995 56.405,46.995 56.405,16.441 61.485,16.441 61.485,21.52 64.015,21.52 64.025,21.53 64.025,46.995 ; 64.025,46.995 64.025,46.995 ; 0,0 0,60 96.5,60 96.5,0 0,0 ; 1.43,4.89 1.43,12.51 3.97,12.51 3.97,4.89 1.43,4.89 ; 1.43,47.49 1.43,55.11 3.97,55.11 3.97,47.49 1.43,47.49 ; 5.44,3.465 68.961,3.465 68.961,3.465 68.961,8.545 68.961,8.545 5.44,8.545 5.44,3.465 ; 5.44,51.46 5.44,56.54 68.95,56.54 68.955,56.535 68.955,51.465 68.95,51.46 5.44,51.46 ; 80.59,23.655 80.59,26.195 85.67,26.195 85.67,23.655 80.59,23.655 ; 82.98,56.78 82.98,59.32 90.6,59.32 90.6,56.78 82.98,56.78 ; 88.905,23.655 88.905,26.195 93.985,26.195 93.985,23.655 88.905,23.655
  text "49" at 5.425,57.092 h1.5
  text "39" at 18.172,57.092 h1.5
  text "29" at 31.148,57.082 h1.5
  text "19" at 43.56,57.082 h1.5
  text "09" at 56.325,57.082 h1.5
  text "01" at 66.866,57.05 h1.5
  text "20" at 43.56,49.705 h1.5
  text "50" at 5.63,49.645 h1.5
  text "30" at 30.883,49.645 h1.5
  text "10" at 56.26,49.591 h1.5
  text "02" at 66.866,49.591 h1.5
  text "40" at 17.906,49.505 h1.5
  text "100" at 65.675,9.025 h1.5
  text "52" at 5.375,8.975 h1.5
  text "70" at 28.52,8.973 h1.5
  text "80" at 41.209,8.975 h1.5
  text "90" at 53.974,8.966 h1.5
  text "60" at 15.95,8.937 h1.5
  text "79" at 41.209,1.601 h1.5
  text "89" at 53.974,1.584 h1.5
  text "99" at 66.526,1.584 h1.5
  text "69" at 28.494,1.51 h1.5
  text "51" at 5.665,1.413 h1.5
  text "59" at 15.849,1.413 h1.5